# Altium PCB Copy of GameBoard_V1I1_083018.PcbDoc (part 20 of 21)
Units mil, origin at the board's own origin, x right, y up, seen from the top; angles counter-clockwise.
Board outline 7165.35 x 2763.78 mil, 12 copper layers (L1, L2, L3, L4, L5 (PWR), L6 (PWR), L7 (PWR), L8 (PWR), L9, L10, L11, L12), stack 61.575 mil thick; 1542 components, 1068 nets, 5447 pads, 3797 vias.
Unrouted connection lines stored in the file: 105.
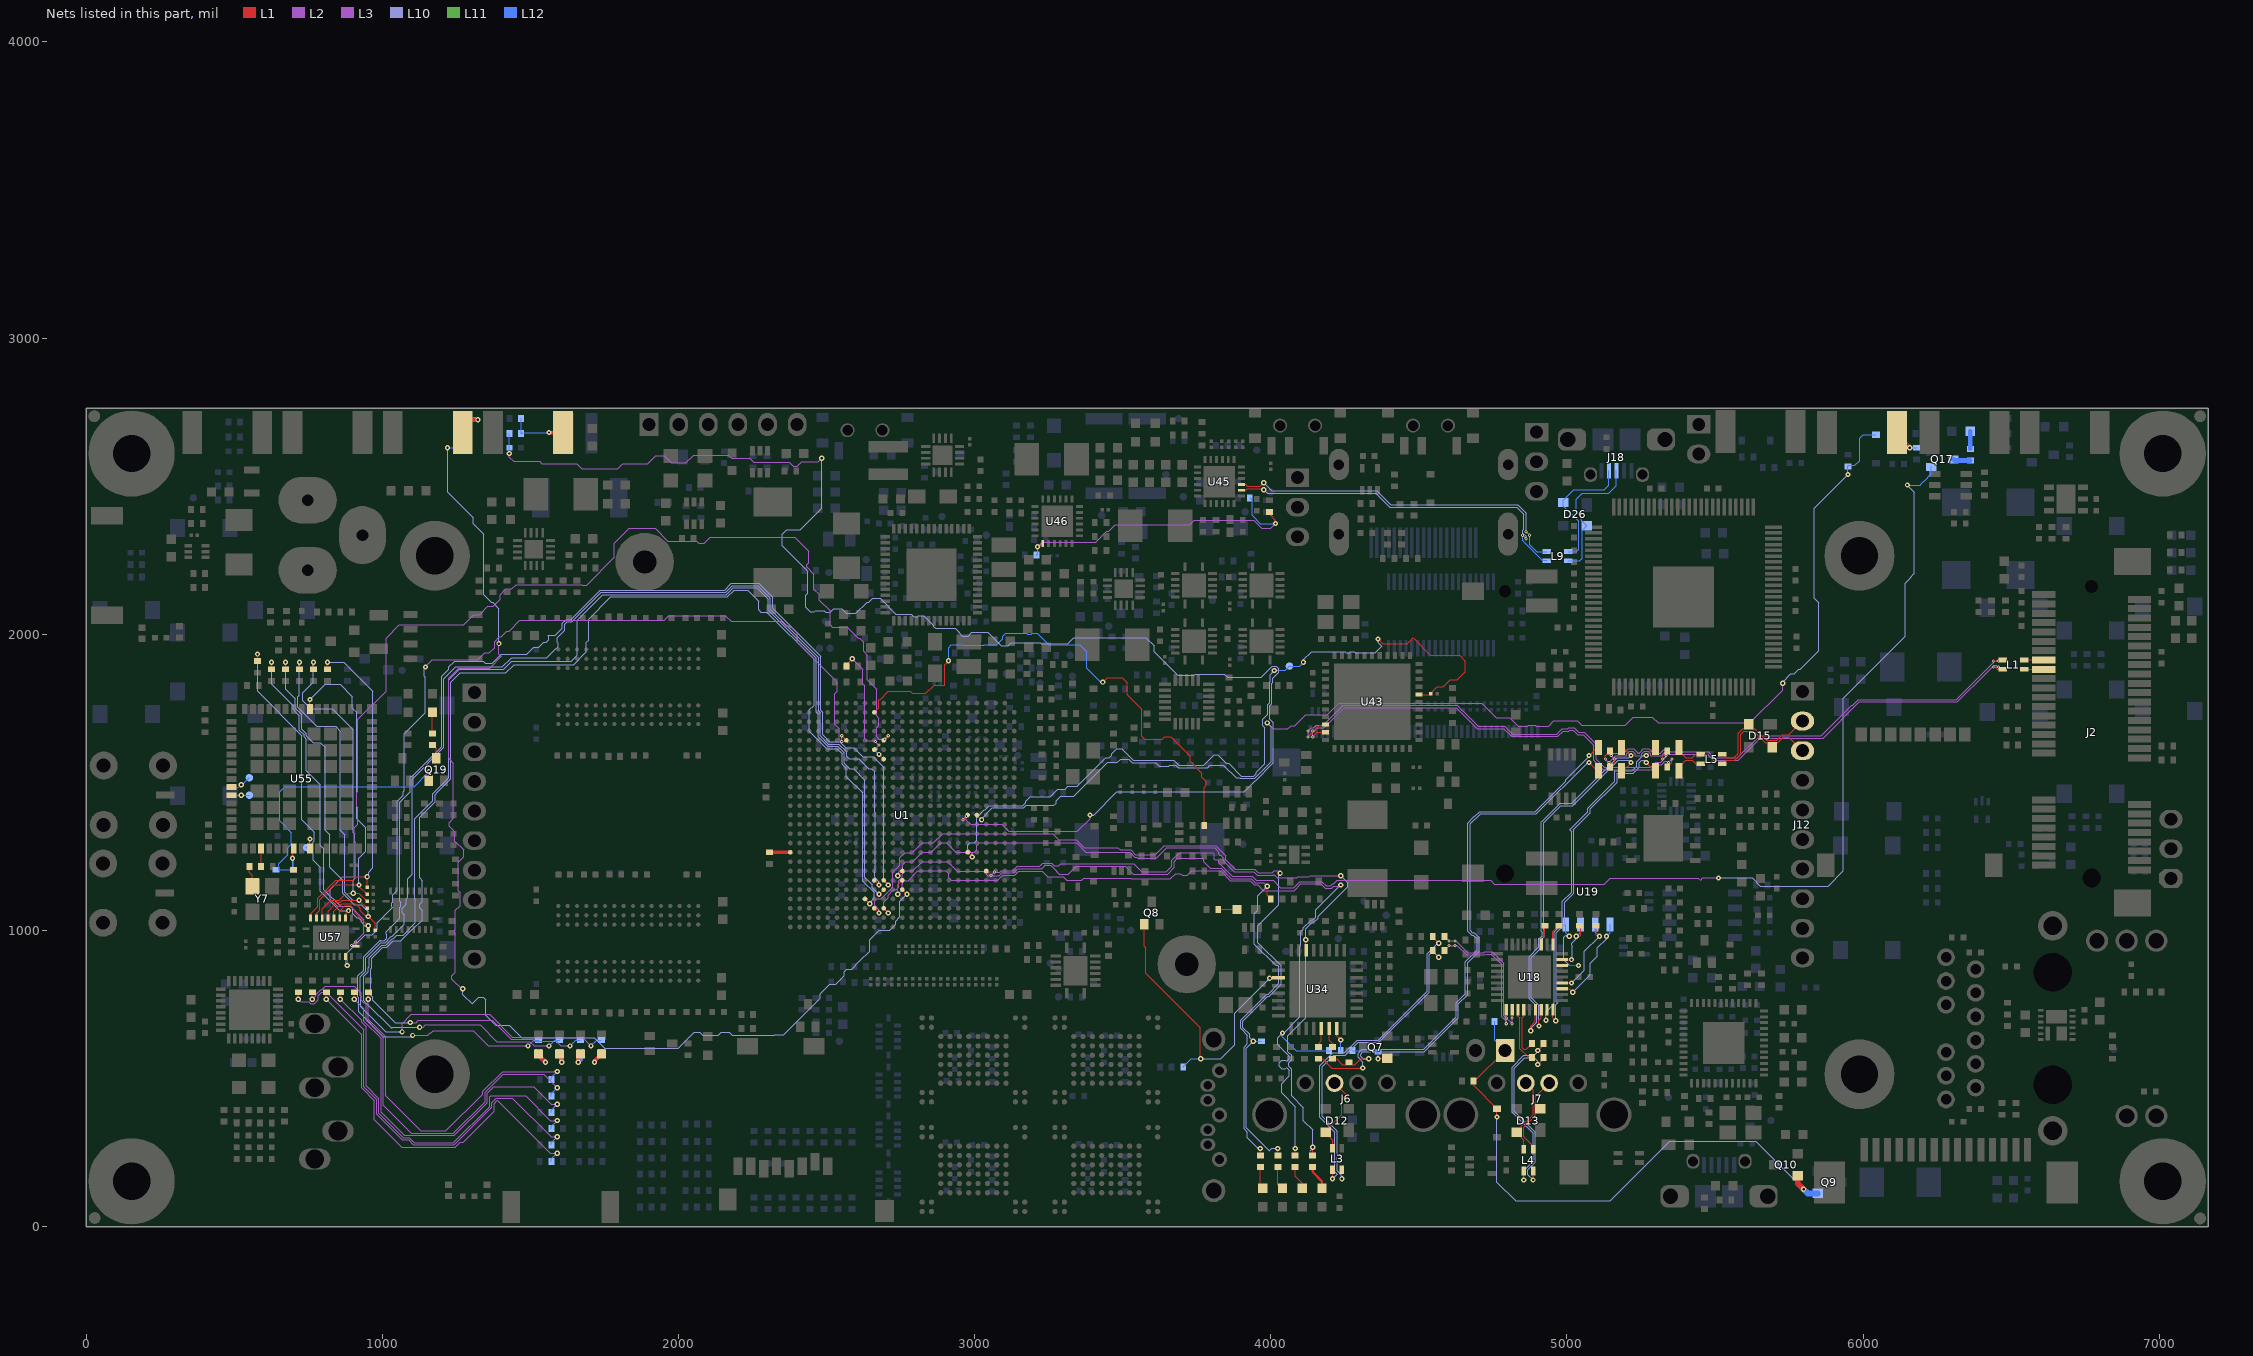
[diagram p30: the nets of this part, all layers, seen from the top]

## Via types
v1: diameter 17.72, hole 7.87, L1 to L12, 1936 vias
v2: diameter 17.72, hole 7.87, L1 to L12, tented both sides, 999 vias
v3: diameter 10.63, hole 3.94, L1 to L2, 337 vias
v4: diameter 10.63, hole 3.94, L2 to L3, 335 vias
v5: diameter 10.63, hole 3.94, L10 to L11, 96 vias
v6: diameter 10.63, hole 3.94, L11 to L12, 94 vias

## Nets (pads, with @x,y where several pads share a name; then routed paths per layer and width w, separated by ;. In a path a pad name is that pad's centre, name@x,y a point inside that pad or via, vN(x,y) a via of type N, cw(c..) or ccw(c..) an arc to the next point about the centre after c; other vN are vias at no path point) (continued)
USB_BOT_L_P: D12.4 J6.3 L3.2 | length 258.5
  L1 w3.94: L3.2@4208.66,264.76 4208.66,291.34 4200.79,299.21 4200.79,338.58 4240.16,377.95 4240.16,421.26 4240.16,430.31 4250.79,440.94 4250.79,449.21 J6.3@4215.36,484.65
USB_BOT_N: L3.4 R169.1 R170.1 | length 1104.7
  L1 w3.94: v1(4240.16,161.42) L3.4@4240.16,191.93 ; R169.1@4547.24,933.07 4547.24,929.13 v1(4566.93,909.45)
  L10 w3.94: v1(4240.16,161.42) 4240.16,172.55 4224.41,188.3 4224.41,322.16 4173.23,373.34 4173.23,539.37 4212.6,578.74 4251.29,578.74 4294.6,622.05 4365.47,622.05 4535.43,792.01 4535.43,917.32 4547.24,929.13 v1(4566.93,909.45)
USB_BOT_P: L3.3 R172.1 R174.1 | length 1121
  L1 w3.94: v1(4208.66,161.42) L3.3@4208.66,191.93 ; R172.1@4547.24,980.31 4547.24,976.38 v1(4566.93,956.69)
  L10 w3.94: v1(4208.66,161.42) 4224.41,177.17 4216.54,185.04 4216.54,318.9 4165.35,370.08 4165.35,542.63 4185.71,562.99 4209.34,586.61 4248.03,586.61 4291.34,629.92 4362.2,629.92 4527.56,795.28 4527.56,920.58 4563.67,956.69 v1(4566.93,956.69)
USB_CONNECT_OR_USER_LED_2: R284.1 R285.1 U34.15 | length 80.5
  L1 w3.66: U34.15@4222.44,669.29 4222.44,643.7 v1(4236.22,629.92)
  L12 w3.66: R284.1@4236.22,594.49 v1(4236.22,629.92)
USB_CONNECTn: Q7.1 R272.1 R284.2 | length 149.1
  L1 w3.94: v1(4362.2,566.93) 4360.24,568.9 Q7.1@4393.7,568.9
  L12 w3.94: R284.2@4275.59,594.49 4350.39,594.49 R272.1@4358.27,586.61 ; v1(4362.2,566.93) 4362.2,582.68 R272.1@4358.27,586.61 ; R272.1@4362.2,590.55 R272.1@4358.27,586.61
USB_H1_OC: R590.1 U1.R7 | length 46.3
  L1 w3.94: v2(2677.17,1594.49) U1.R7@2692.91,1578.74
  L12 w3.66: R590.1@2666.73,1614.17 2666.73,1604.92 v2(2677.17,1594.49)
USB_HDR_L_N: D15.2 J12.2 L5.2 | length 398.6
  L1 w3.94: L5.2@5524.61,1594.49 5536.42,1582.68 5562.99,1582.68 5578.74,1598.43 5578.74,1665.35 5594.49,1681.1 5633.86,1681.1 5673.23,1641.73 5708.66,1641.73 5727.17,1660.24 5749.21,1660.24 J12.2@5795.28,1706.3
USB_HDR_L_P: D15.4 J12.3 L5.1 | length 398.6
  L1 w3.94: L5.1@5524.61,1562.99 5536.42,1574.8 5566.25,1574.8 5586.61,1595.16 5586.61,1662.09 5597.75,1673.23 5630.6,1673.23 5669.97,1633.86 5712.6,1633.86 5731.1,1652.36 5749.21,1652.36 J12.3@5795.28,1606.3
USB_HDR_N: L5.3 R159.2 R161.2 | length 100.3
  L1 w3.94: R161.2@5377.95,1618.11 R159.2@5377.95,1606.3 5401.57,1582.68 5423.23,1582.68 5435.04,1594.49 L5.3@5451.77,1594.49
USB_HDR_P: L5.4 R163.1 R166.2 | length 88.5
  L1 w3.94: R166.2@5377.95,1551.18 5401.57,1574.8 5423.23,1574.8 5435.04,1562.99 L5.4@5451.77,1562.99
USB_LCDCTP_N: R158.2 R159.1 U43.42 | length 1544.5
  L1 w3.94: v3(4125.98,1653.54) 4125.98,1653.66 4165.23,1692.91 4183.07,1692.91 U43.42@4185.04,1694.88 ; v3(5322.83,1578.74) 5322.83,1590.55 R158.2@5338.58,1606.3
  L3 w3.94: v4(4125.98,1673.23) 4125.98,1673.35 4137.08,1684.45 4145.08,1684.45 4153.54,1692.91 4177.84,1692.91 4244.77,1759.84 4629.25,1759.84 4644.99,1744.09 4646.34,1744.09 4646.34,1742.74 4700.11,1688.98 4790.66,1688.98 4816.59,1663.05 4966.2,1663.05 4984.25,1681.1 5003.42,1681.1 5006.37,1684.06 5025.12,1684.06 5039.89,1669.29 5058.38,1669.29 5098.43,1629.25 5098.43,1578.74 5125.98,1551.18 5283.46,1551.18 5299.89,1567.6 5316.31,1567.6 5334.65,1585.94 v4(5334.65,1590.55)
  L2 w3.94: v3(4125.98,1653.54) v4(4125.98,1673.23) ; v3(5322.83,1578.74) v4(5334.65,1590.55)
USB_LCDCTP_P: R165.2 R166.1 U43.43 | length 1500.2
  L1 w3.94: v3(4141.73,1653.54) 4157.48,1669.29 U43.43@4185.04,1669.29 ; R165.2@5338.58,1551.18 5354.33,1566.93 v3(5354.33,1578.74)
  L3 w3.94: v4(4141.73,1673.23) 4144.99,1673.23 4156.8,1685.04 4181.1,1685.04 4248.03,1751.97 4625.98,1751.97 4663.05,1714.9 4685.04,1692.91 4696.85,1681.1 4787.4,1681.1 4813.33,1655.17 4969.46,1655.17 4987.51,1673.23 5006.68,1673.23 5009.63,1676.18 5021.86,1676.18 5036.63,1661.42 5055.12,1661.42 5090.55,1625.98 5090.55,1575.48 5122.72,1543.31 5286.73,1543.31 5303.15,1559.73 5319.57,1559.73 5330.71,1570.87 5338.58,1570.87 v4(5342.52,1566.93)
  L2 w3.94: v3(4141.73,1653.54) v4(4141.73,1673.23) ; v4(5342.52,1566.93) v3(5354.33,1578.74)
USB_MCU_N: R178.2 R179.2 R275.2 | length 1852.8
  L1 w3.94: R275.2@4161.42,566.93 4175.2,566.93 4206.69,535.43 4295.28,535.43 v1(4311.02,535.43) ; v1(5074.8,1590.55) 5102.36,1618.11 R179.2@5106.3,1618.11
  L10 w3.94: v1(4311.02,535.43) 4311.02,555.79 4295.28,571.54 4295.28,585.94 4307.76,598.43 4515.75,598.43 4625.98,708.66 4625.98,755.23 4657.48,786.73 4657.48,893.62 4696.85,932.99 4696.85,971.77 4684.36,984.25 4677.84,984.25 4665.35,996.74 4665.35,1362.72 4687.47,1384.84 4688.67,1384.84 4705.4,1401.57 4893.7,1401.57 4996.06,1503.94 4996.06,1509.07 5074.8,1587.81 v1(5074.8,1590.55)
USB_MCU_P: R180.1 R182.2 R274.2 R276.2 | length 1789.3
  L1 w3.94: R276.2@4208.66,566.93 4222.44,566.93 4242.13,547.24 4283.46,547.24 4303.15,566.93 v1(4330.71,566.93) ; v1(5074.8,1566.93) 5102.36,1539.37 R180.1@5106.3,1539.37
  L10 w3.94: v1(4330.71,566.93) 4311.02,566.93 4303.15,574.8 4303.15,582.68 4311.02,590.55 4519.01,590.55 4633.86,705.4 4633.86,751.97 4665.35,783.46 4665.35,890.36 4704.72,929.73 4704.72,975.03 4687.63,992.13 4681.1,992.13 4673.23,1000 4673.23,1359.46 4690.74,1376.97 4691.93,1376.97 4708.66,1393.7 4896.96,1393.7 5070.19,1566.93 v1(5074.8,1566.93)
USB_MCU_R_N: R275.1 U34.13 | length 67.1
  L1 w3.94: R275.1@4161.42,606.3 4161.42,618.11 4171.26,627.95 U34.13@4171.26,669.29
USB_MCU_R_P: R276.1 U34.14 | length 67.9
  L1 w3.94: U34.14@4196.85,669.29 4196.85,629.92 4208.66,618.11 R276.1@4208.66,606.3
USB_MPCIE_L_N: J2.36 L1.1 | length 65.9
  L1 w3.94: L1.1@6544.29,1881.89 J2.36@6610.24,1881.89
USB_MPCIE_L_P: J2.38 L1.2 | length 65.9
  L1 w3.94: L1.2@6544.29,1913.39 J2.38@6610.24,1913.39
USB_MPCIE_N: L1.4 R177.2 R178.1 | length 1618.1
  L1 w3.94: v3(5129.92,1578.74) 5129.92,1590.55 R177.2@5145.67,1606.3 ; v3(6440.94,1889.76) 6444.88,1889.76 6452.76,1881.89 L1.4@6471.46,1881.89
  L3 w3.94: v4(5141.73,1566.93) 5141.85,1566.93 5160.83,1585.9 5160.83,1586.02 5165.35,1590.55 5201.77,1590.55 5201.77,1596.67 5210.42,1605.31 5222.65,1605.31 5231.3,1596.67 5231.3,1590.55 5252.95,1590.55 5252.95,1596.67 5261.6,1605.31 5273.83,1605.31 5282.48,1596.67 5282.48,1590.55 5323.43,1590.55 5323.43,1595.2 5330,1601.77 5339.29,1601.77 5345.87,1595.2 5473.12,1595.2 5493.51,1574.8 5578.74,1574.8 5653.54,1649.61 5865.47,1649.61 5987.51,1771.65 6318.22,1771.65 6417.32,1870.75 6442.58,1896.01 6450.45,1896.01 v4(6456.69,1889.76)
  L2 w3.94: v3(5129.92,1578.74) v4(5141.73,1566.93) ; v3(6440.94,1889.76) v4(6456.69,1889.76)
USB_MPCIE_OC: R188.2 U18.21 | length 67.9
  L1 w3.94: U18.21@4913.39,952.76 4913.39,972.44 4925.2,984.25 R188.2@4925.2,1015.75
USB_MPCIE_P: L1.3 R181.2 R182.1 | length 1588.2
  L1 w3.94: R181.2@5145.67,1551.18 5161.42,1566.93 v3(5161.42,1578.74) ; v3(6440.94,1909.45) 6448.82,1909.45 6452.76,1913.39 L1.3@6471.46,1913.39
  L3 w3.94: v4(5149.61,1590.55) 5157.48,1598.43 5193.9,1598.43 5193.9,1599.93 5207.16,1613.19 5225.91,1613.19 5239.17,1599.93 5239.17,1598.43 5245.08,1598.43 5245.08,1599.93 5258.34,1613.19 5277.09,1613.19 5290.35,1599.93 5290.35,1598.43 5315.55,1598.43 5326.74,1609.65 5342.55,1609.65 5349.13,1603.07 5476.38,1603.07 5496.77,1582.68 5575.48,1582.68 5650.28,1657.48 5858.94,1657.48 5961.31,1759.84 5964.57,1759.84 5984.25,1779.53 6314.96,1779.53 6444.88,1909.45 v4(6456.69,1909.45)
  L2 w3.94: v4(5149.61,1590.55) v3(5161.42,1578.74) ; v3(6440.94,1909.45) v4(6456.69,1909.45)
USB_OC: R625.1 R626.1 U1.T6 | length 399
  L1 w3.66: U1.T6@2661.42,1610.24 v3(2677.17,1625.98)
  L1 w3.94: R625.1@2566.93,1893.7 2566.93,1897.64 v1(2586.61,1917.32)
  L3 w3.94: v1(2586.61,1917.32) 2586.61,1916.8 2622.05,1881.37 2622.05,1832.68 2628.94,1825.79 2628.94,1646.65 2634.84,1640.75 2662.4,1640.75 v4(2665.35,1637.8)
  L2 w3.94: v4(2665.35,1637.8) v3(2677.17,1625.98)
USB_OTG_EN: D25.2 JP2.1 Q9.1 Q10.1 R318.1 R326.2 | length 1955.3
  L1 w3.94: v1(4763.78,370.08) D25.2@4763.78,398.39 4685.04,477.13 R318.1@4685.04,492.13 4688.98,492.13 JP2.1@4791.34,594.49
  L1 w19.68: Q10.1@5779.53,171.26 5779.53,145.67 v1(5799.21,125.98)
  L10 w3.94: v1(4763.78,370.08) 4763.78,149.61 4826.77,86.61 5145.67,86.61 5346.46,287.4 5637.8,287.4 v1(5799.21,125.98)
  L12 w3.94: R326.2@4755.91,692.91 4755.91,629.92 JP2.1@4791.34,594.49
  L12 w19.68: v1(5799.21,125.98) 5812.99,112.2 Q9.1@5846.85,112.2
USB_TOP_L_N: D13.2 J7.2 L4.3 | length 272.3
  L1 w3.94: L4.3@4885.83,260.83 4885.83,271.65 4854.33,303.15 4854.33,335.32 4893.7,374.69 4893.7,438.58 J7.2@4939.76,484.65
USB_TOP_L_P: D13.4 J7.3 L4.4 | length 253.7
  L1 w3.94: L4.4@4854.33,260.83 4854.33,291.34 4846.46,299.21 4846.46,338.58 4885.83,377.95 4885.83,459.84 J7.3@4861.02,484.65
USB_TOP_N: L4.2 R157.1 R160.1 | length 597.9
  L1 w3.94: v1(4885.83,157.48) L4.2@4885.83,187.99 ; v1(4901.57,547.24) 4921.26,566.93 R157.1@4921.26,570.87
  L10 w3.94: v1(4885.83,157.48) 4867.77,175.53 4867.77,191.28 4893.7,217.21 4893.7,318.22 4822.83,389.09 4822.83,535.43 4858.27,570.87 4889.76,570.87 4901.57,559.06 v1(4901.57,547.24)
USB_TOP_P: L4.1 R164.1 R167.1 | length 597.9
  L1 w3.94: v1(4854.33,157.48) L4.1@4854.33,187.99 ; v1(4901.57,594.49) 4921.26,614.17 R164.1@4921.26,618.11
  L10 w3.94: v1(4854.33,157.48) 4854.33,188.98 4885.83,220.47 4885.83,314.96 4814.96,385.83 4814.96,538.69 4855.01,578.74 4889.76,578.74 4901.57,590.55 v1(4901.57,594.49)
USBCh_OTG_L_N: D26.4 J18.2 L9.1 | length 447.2
  L12 w3.94: L9.1@5004.92,2279.53 5031.5,2279.53 5039.37,2287.4 5039.37,2381.89 4988.19,2433.07 D26.4@4988.19,2444.88 4988.19,2452.76 5023.62,2488.19 5125.98,2488.19 5141.73,2503.94 J18.2@5141.73,2552.17
USBCh_OTG_L_P: D26.2 J18.3 L9.2 | length 476.3
  L12 w3.94: L9.2@5004.92,2248.03 5043.31,2248.03 5051.18,2255.91 5051.18,2350.39 D26.2@5066.93,2366.14 5047.92,2385.15 5047.92,2396.96 5031.5,2413.39 5031.5,2456.69 5051.18,2476.38 5141.73,2476.38 5167.32,2501.97 J18.3@5167.32,2552.17
USBCh_OTG_N: L9.4 U45.3 | length 1189
  L1 w3.94: U45.3@3901.57,2505.91 3915.35,2505.91 3921.26,2500 3964.57,2500 v1(3976.38,2511.81)
  L10 w3.94: v1(3976.38,2511.81) 4003.94,2484.25 4358.27,2484.25 4405.51,2437.01 4833.97,2437.01 4862.2,2408.77 v5(4862.2,2346.46)
  L11 w3.94: v5(4862.2,2346.46) v6(4874.02,2334.65)
  L12 w3.94: v6(4874.02,2334.65) 4874.02,2303.15 4897.64,2279.53 L9.4@4932.09,2279.53
USBCh_OTG_P: L9.3 U45.2 | length 1225.2
  L1 w3.94: U45.2@3901.57,2486.22 3915.35,2486.22 3921.26,2492.13 3972.44,2492.13 v1(3976.38,2488.19)
  L10 w3.94: v1(3976.38,2488.19) 3988.19,2476.38 4355.01,2476.38 4402.25,2429.13 4830.71,2429.13 4854.33,2405.51 4854.33,2354.45 4850.98,2351.1 4850.98,2341.81 4862.21,2330.59 v5(4862.21,2322.83)
  L11 w3.94: v6(4850.39,2334.65) v5(4862.21,2322.83)
  L12 w3.94: v6(4850.39,2334.65) 4850.39,2315.64 4916.03,2250 4930.12,2250 L9.3@4932.09,2248.03
USBDN1_N: R169.2 U18.1 | length 482.5
  L1 w3.94: R169.2@4586.61,933.07 v3(4602.36,948.82) ; v3(4795.28,704.72) U18.1@4795.28,732.28
  L3 w3.94: v4(4622.05,948.82) 4629.92,948.82 4661.42,917.32 4723.22,917.32 4726.17,920.28 4745.08,920.28 4779.53,885.83 4779.53,709.34 4795.28,693.59 v4(4795.28,685.04)
  L2 w3.94: v3(4602.36,948.82) v4(4622.05,948.82) ; v4(4795.28,685.04) v3(4795.28,704.72)
USBDN1_OC: R197.1 U18.13 U19.2 | length 321.6
  L1 w3.94: U18.13@4984.25,822.83 v1(5015.75,822.83) ; R197.1@5098.43,1015.75 5098.43,984.25 5106.3,976.38 v1(5110.24,980.31)
  L10 w3.94: v1(5015.75,822.83) 5059.06,866.14 5059.06,929.13 v1(5110.24,980.31)
  L12 w3.94: U19.2@5095.87,1019.69 5095.87,994.69 v1(5110.24,980.31)
USBDN1_P: R172.2 U18.2 | length 503.7
  L1 w3.94: R172.2@4586.61,980.31 v3(4602.36,964.57) ; v3(4814.96,704.72) U18.2@4814.96,732.28
  L3 w3.94: v4(4622.05,964.57) 4625.31,964.57 4664.68,925.2 4719.95,925.2 4722.91,928.15 4748.34,928.15 4751.29,925.2 4787.4,889.09 4787.4,712.6 v4(4814.96,685.04)
  L2 w3.94: v3(4602.36,964.57) v4(4622.05,964.57) ; v4(4814.96,685.04) v3(4814.96,704.72)
USBDN1_PWR_EN: U18.12 U19.1 | length 320.9
  L1 w3.94: U18.12@4984.25,803.15 5007.87,803.15 v1(5019.69,791.34)
  L10 w3.94: v1(5019.69,791.34) 5078.74,850.39 5078.74,889.76 5102.36,913.39 5102.36,940.94 5133.86,972.44 v1(5133.86,980.31)
  L12 w3.94: v1(5133.86,980.31) 5145.87,992.32 U19.1@5145.87,1019.69
USBDN2_N: R157.2 U18.3 | length 187.5
  L1 w3.94: U18.3@4834.65,732.28 4834.65,710.63 4840.55,704.72 4840.55,601.07 4868.79,572.83 4879.92,572.83 R157.2@4881.89,570.87
USBDN2_OC: R198.1 U18.17 U19.3 | length 224.5
  L1 w3.94: U18.17@4984.25,901.57 v1(5015.75,901.57) ; v1(5031.5,980.31) 5043.31,980.31 5047.24,984.25 R198.1@5047.24,1015.75
  L10 w3.94: v1(5015.75,901.57) 5018.7,904.53 5018.7,947.06 5015.75,950.01 5015.75,956.69 5039.37,980.31 v1(5031.5,980.31)
  L12 w3.94: v1(5031.5,980.31) 5045.87,994.68 U19.3@5045.87,1019.69
USBDN2_P: R164.2 U18.4 | length 174.5
  L1 w3.94: U18.4@4854.33,732.28 4854.33,710.63 4848.43,704.72 4848.43,604.33 4854.33,598.43 4862.2,598.43 R164.2@4881.89,618.11
USBDN2_PWR_EN: U18.16 U19.4 | length 257.4
  L1 w3.94: U18.16@4984.25,881.89 v1(5039.37,881.89)
  L10 w3.94: v1(5007.87,980.31) 5000,980.31 4996.06,984.25 4989.17,977.36 4989.17,900.59 5007.87,881.89 v1(5039.37,881.89)
  L12 w3.94: U19.4@4995.87,1019.69 4995.87,992.32 v1(5007.87,980.31)
USBDN3_N: R177.1 R179.1 U18.6 | length 1259
  L1 w3.94: v1(4877.95,661.42) 4877.95,677.17 4893.7,692.91 U18.6@4893.7,732.28 ; R179.1@5185.04,1618.11 5188.98,1618.11 v1(5216.54,1590.55)
  L10 w3.94: v1(4877.95,661.42) 4877.95,670.49 4897.64,690.17 4897.64,744.09 4872.39,769.35 4872.39,911.76 4905.51,944.88 4905.51,973.43 4907.69,973.43 4916.34,982.07 4916.34,994.3 4914.03,996.61 4914.03,1366.79 4916.34,1369.09 4974.07,1426.83 ; 4974.07,1429.13 5015.75,1429.13 5169.29,1582.68 5196.85,1582.68 5208.66,1582.68 v1(5216.54,1590.55)
USBDN3_OC: R186.2 U18.19 | length 71.1
  L1 w3.94: U18.19@4952.76,952.76 4952.76,996.06 R186.2@4972.44,1015.75
USBDN3_P: R180.2 R181.1 U18.7 | length 1202.7
  L1 w3.94: v1(4905.51,677.17) 4905.51,696.85 4913.39,704.72 U18.7@4913.39,732.28 ; R180.2@5185.04,1539.37 5188.98,1539.37 v1(5216.54,1566.93)
  L10 w3.94: v1(4905.51,677.17) 4905.51,748.03 4880.26,773.28 4880.26,908.49 4913.39,941.62 4913.39,967.99 4924.21,978.81 4924.21,997.57 4921.91,999.87 4921.91,1363.53 4979.64,1421.26 5019.01,1421.26 5172.55,1574.8 5208.66,1574.8 v1(5216.54,1566.93)
USBDN4_N: R158.1 R161.1 U18.8 | length 1161.4
  L1 w3.94: v1(4929.13,696.85) 4929.13,728.35 U18.8@4933.07,732.28 ; v1(5267.72,1590.55) 5295.28,1618.11 R161.1@5299.21,1618.11
  L10 w3.94: v1(4929.13,696.85) 4929.13,724.41 4954.23,749.51 4954.23,752.77 4957.37,755.91 4956.69,756.58 4956.69,995.39 4984.25,1022.95 4984.25,1097.75 5015.75,1129.25 5015.75,1333.35 5009.53,1339.57 5010.05,1339.57 5018.7,1348.22 5018.7,1348.73 5023.62,1353.66 5070.87,1400.9 5070.87,1413.39 5161.42,1503.94 5161.42,1539.37 5221.15,1539.37 5236.22,1554.44 5236.22,1570.19 5256.58,1590.55 v1(5267.72,1590.55)
USBDN4_P: R163.2 R165.1 U18.9 | length 1140
  L1 w3.94: U18.9@4952.76,732.28 4952.76,705.92 4955.71,702.97 4955.71,701.77 v1(4962.11,695.37) ; v1(5267.72,1566.93) 5295.28,1539.37 R163.2@5299.21,1539.37
  L10 w3.94: v1(4962.11,695.37) 4962.11,749.51 4968.5,755.91 4964.57,759.84 4964.57,992.13 4992.13,1019.69 4992.13,1094.49 5011.81,1114.17 5023.62,1125.98 5023.62,1336.61 5020.93,1339.31 5026.57,1344.95 5026.57,1345.47 5078.74,1397.64 5078.74,1410.12 5169.29,1500.68 5169.29,1531.5 5224.41,1531.5 5244.09,1551.18 5244.09,1566.93 5251.97,1574.8 5259.84,1574.8 v1(5267.72,1566.93)
USER_BTN_1: D43.2 R418.1 U1.E13 | length 4237.9
  L1 w3.94: U1.E13@3007.87,1389.76 v2(3023.62,1374.02)
  L3 w3.94: v2(3988.19,1700.79) 4007.87,1681.1 4057.86,1681.1 4068.69,1691.93 4081.69,1691.93 4118.11,1728.35 4190.83,1728.35 4219.06,1756.58 4230.19,1767.72 4712.6,1767.72 4761.81,1718.5 4807.09,1718.5 4835.63,1689.96 4868.32,1689.96 4871.27,1692.91 4892.51,1692.91 4895.46,1689.96 4939.19,1689.96 4947.83,1698.61 4947.83,1699.8 4955.71,1707.68 5034.91,1707.68 5049.67,1692.91 5197.06,1692.91 5224.62,1720.47 5288.08,1720.47 5307.76,1700.79 5618.11,1700.79 5728.35,1811.02 v2(5728.35,1834.65)
  L10 w3.94: v2(3023.62,1374.02) 3023.62,1377.28 3059.87,1413.52 3165.62,1413.52 3174.34,1422.24 3267.72,1422.24 3275.59,1430.12 3275.59,1438.2 3290.14,1452.76 3334.65,1452.76 3450.08,1568.19 3482.45,1568.19 3492.86,1578.6 3520.69,1578.6 3532.23,1567.07 3611.42,1567.07 3623.37,1555.12 3655.54,1555.12 3658.21,1557.8 3679.3,1557.8 3686.89,1550.2 3786.67,1550.2 3794.54,1558.07 3839.57,1558.07 3882.87,1514.76 3895.88,1514.76 3897.57,1513.07 3943.56,1513.07 3945.29,1513.07 4001.26,1569.04 4001.26,1687.72 v2(3988.19,1700.79) ; v2(5728.35,1834.65) 5728.35,1838.58 5756.04,1866.28 5766.98,1866.28 5782.59,1881.89 5787.4,1881.89 5850.39,1944.88 5850.39,2106.3 5834.65,2122.05 5834.65,2425.2 v1(5948.82,2539.37)
  L12 w3.94: v1(5948.82,2539.37) R418.1@5948.82,2566.93 5952,2570.11 5971.69,2570.11 5988.19,2586.61 5988.19,2661.42 6000.76,2673.98 D43.2@6043.31,2673.98
USER_BTN_1_R: R416.1 R417.1 R420.2 SW20.2 | length 191.4
  L1 w3.94: SW20.2@6114.17,2681.1 6157.48,2637.8 v1(6157.48,2629.92)
  L12 w3.94: R420.2@6094.49,2677.17 R416.1@6137.8,2677.17 6137.8,2649.61 v1(6157.48,2629.92) R417.1@6181.1,2629.92
USER_BTN_2: C400.1 R397.1 U1.F13 | length 5208.2
  L1 w3.94: v3(2960.63,1374.02) U1.F13@2976.38,1389.76
  L3 w3.94: v1(1429.13,2610.24) 1429.13,2598.43 1443.9,2583.66 1531.19,2583.66 1538.83,2576.02 1657.31,2576.02 1674.28,2559.06 1795.28,2559.06 1812.24,2576.02 1896.89,2576.02 1923.95,2603.09 1952.03,2603.09 1976.38,2578.74 2025.13,2578.74 2051.7,2605.31 2168.77,2605.31 2179.59,2594.49 2240.72,2594.49 2253.51,2581.69 2373.81,2581.69 2387.59,2567.91 2401.17,2567.91 2415.93,2582.68 2472.44,2582.68 v1(2484.25,2594.49) ; v4(2972.44,1385.83) 2972.44,1372.82 2986.99,1358.27 3091.75,1358.27 3101.38,1348.64 3101.38,1348.31 3115.04,1334.65 3346.46,1334.65 3389.76,1377.95 v1(3389.76,1389.76)
  L10 w3.94: v1(2484.25,2594.49) 2484.25,2425.2 2455.43,2396.38 2455.3,2396.38 2442.2,2383.28 2442.2,2383.15 2411.21,2352.15 2365.16,2352.15 2350.39,2337.39 2350.39,2299.21 2437.01,2212.6 2437.01,2138.31 2430.12,2131.42 2430.12,2090.55 2444.88,2075.79 2458.87,2075.79 2462.81,2079.72 2492.52,2079.72 2497.44,2074.8 2511.81,2074.8 2523.62,2086.61 2551.18,2086.61 2566.93,2070.87 2599.36,2070.87 2637.2,2108.7 2643.2,2108.7 2655.34,2120.84 2681.37,2120.84 2733.82,2068.39 2786.71,2068.39 2795.07,2060.04 2807.3,2060.04 2810.11,2062.85 2827.94,2062.85 2862.64,2028.16 2862.64,2026.26 2869.07,2019.82 2934.9,2019.82 2945.87,2008.86 2945.87,2006.37 2959.13,1993.11 2977.88,1993.11 2991.14,2006.37 3044.81,2006.37 3089.36,1961.82 3114.17,1961.82 3123.81,1971.46 3221.04,1971.46 3224.41,1968.09 3314.96,1968.09 3335.06,1988.19 3578.74,1988.19 3606.3,1960.63 3606.3,1940.94 3686.02,1861.22 3742.34,1861.22 3746.71,1865.59 3843.68,1865.59 3854.94,1854.33 3967.83,1854.33 3997.05,1883.55 3997.05,1884.07 4005.7,1892.72 4017.93,1892.72 4026.57,1884.07 4026.57,1871.84 4006.61,1851.88 4006.61,1837.19 4003.94,1834.52 4003.94,1765.78 3997.05,1758.89 3997.05,1712.81 4009.13,1700.72 4009.13,1565.78 3948.55,1505.2 3946.82,1505.2 3910.12,1468.5 3480.31,1468.5 3401.57,1389.76 v1(3389.76,1389.76)
  L2 w3.94: v3(2960.63,1374.02) v4(2972.44,1385.83)
  L12 w3.94: v1(1429.13,2610.24) C400.1@1429.13,2629.92 R397.1@1429.13,2677.17
USER_BTN_2_R: R396.1 R397.2 SW9.2 | length 194.5
  L1 w11.81: v1(1562.99,2681.1) SW9.2@1610.24,2681.1
  L12 w3.94: R396.1@1468.5,2728.35 R397.2@1468.5,2677.17 1472.44,2681.1 v1(1562.99,2681.1)
USER_BTN_3: C401.1 R401.1 U1.N21 | length 4167.5
  L1 w3.66: U1.N21@2755.91,1137.8 v2(2771.65,1122.05)
  L3 w3.66: v1(1271.65,803.15) 1271.65,799.21 1234.82,836.04 1234.82,846.99 1246.79,858.96 1246.79,988.43 1245.22,990 1245.22,1002.12 1246.79,1003.7 1246.79,1067.93 1262.66,1083.8 1262.66,1128.11 1255.91,1134.86 1255.91,1229.47 1274.47,1248.03 1274.47,1271.65 1245.22,1300.91 1245.22,1332.52 1225.53,1352.21 1225.53,1364.33 1240.16,1378.95 1240.16,1565.21 1224.55,1580.82 1224.55,1852.25 1258.26,1885.96 1362.34,1885.96 1401.57,1925.2 1393.7,1933.07 v1(1393.7,1968.5)
  L10 w3.66: v1(1220.47,2629.92) 1220.47,2480.31 1307.09,2393.7 1307.09,2372.47 1342.52,2337.04 1342.52,2132.86 1367.96,2107.42 1372.56,2107.42 1393.7,2086.28 v1(1393.7,1968.5) ; v1(1271.65,803.15) 1271.65,783.46 1303.15,751.97 1325.65,774.47 1340.7,774.47 1349.27,765.9 1349.27,713.72 1383.56,679.43 1429.13,679.43 1470.63,637.93 1715.4,637.93 1750.97,602.36 1999,602.36 2053,656.36 2071.99,656.36 2082.68,645.67 2133.86,645.67 2144.55,656.36 2171.41,656.36 2180.98,646.79 2324.02,646.79 2325.44,648.21 2356.21,648.21 2478.48,770.48 2478.48,786.57 2510.81,818.9 2531.43,818.9 2560.18,847.64 2560.18,860.39 2568.74,868.96 2584.75,868.96 2612.78,896.98 2612.78,897.31 2645.26,929.79 2645.26,968.09 2677.44,1000.28 2712.94,1000.28 2733.13,1020.47 2733.13,1031.34 2748.03,1046.24 2748.03,1098.43 v2(2771.65,1122.05)